# Altium PCB PCB_SensorBoard.PcbDoc (part 1 of 2) (continued)
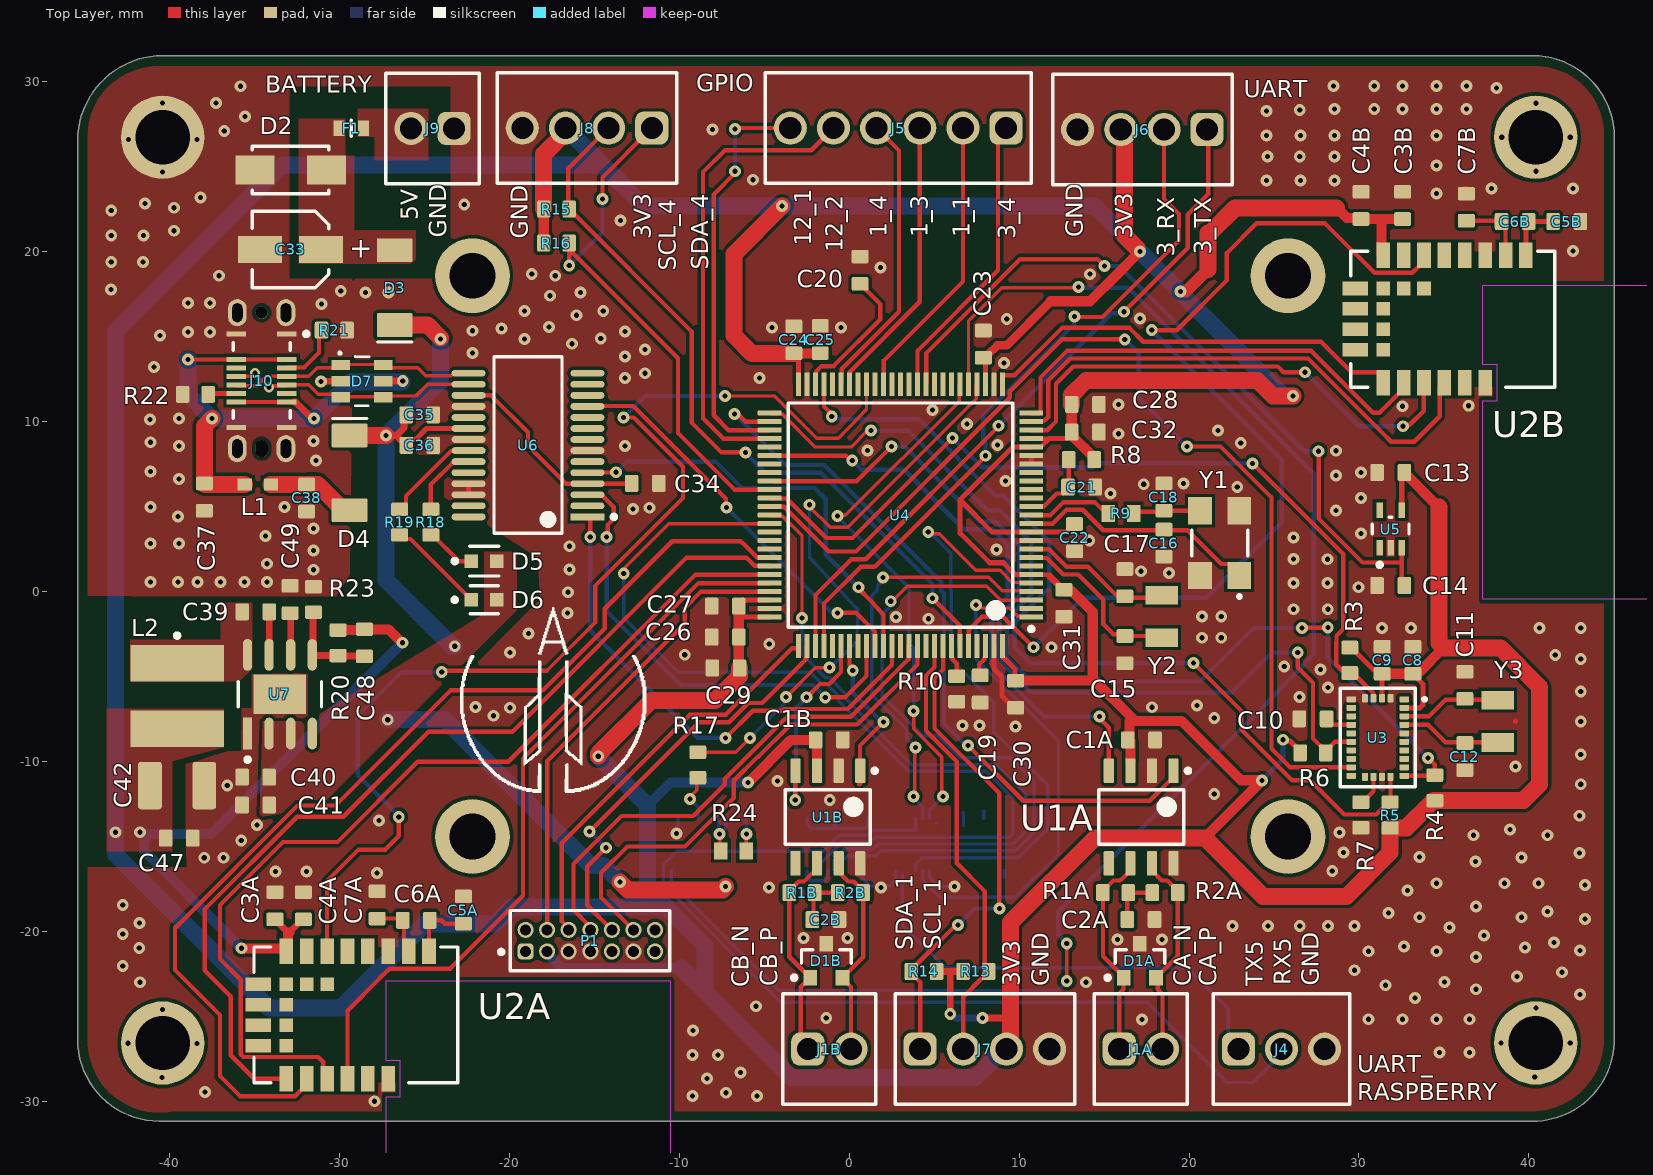
[diagram p0: Top Layer view]
## Components (designator, comment, footprint, x,y, rotation, side; value= is the part's Value field where it differs from the comment)
C1A "KGM15AR71C104KM" 0603_C 17.198,-8.739 r180 top value=100nF (schematic designator C1)
C1B "KGM15AR71C104KM" 0603_C -1.177,-8.739 r180 top value=100nF (schematic designator C1)
C2A "KGM15AR71C472KT" 0603_C 17.169,-19.313 r180 top value=4.7nF (schematic designator C2)
C2B "KGM15AR71C472KT" 0603_C -1.372,-19.313 r180 top value=4.7nF (schematic designator C2)
C3A "KGM15AR71C104KM" 0603_C -33.795,-18.498 r270 top value=100nF (schematic designator C3)
C3B "KGM15AR71C104KM" 0603_C 32.57,22.713 r270 top value=100nF (schematic designator C3)
C4A "KGM15AR71C104KM" 0603_C -32.12,-18.498 r90 top value=100nF (schematic designator C4)
C4B "KGM15AR71C104KM" 0603_C 30.12,22.713 r90 top value=100nF (schematic designator C4)
C5A "DNP" 0603_C -22.7,-18.75 r270 top value=10pF (schematic designator C5)
C5B "DNP" 0603_C 42.225,21.767 r180 top value=10pF (schematic designator C5)
C6A "KGM15ACG1C220KT" 0603_C -25.475,-19.353 r0 top value=22pF (schematic designator C6)
C6B "KGM15ACG1C220KT" 0603_C 39.188,21.767 r0 top value=22pF (schematic designator C6)
C7A "DNP" 0603_C -27.775,-18.453 r90 top value=10pF (schematic designator C7)
C7B "DNP" 0603_C 36.32,22.608 r90 top value=10pF (schematic designator C7)
C8 "KGM15AR71C104KT" 0603_C 33.165,-4.051 r270 top value=100nF
C9 "KGM15AR71C104KT" 0603_C 31.365,-4.051 r270 top value=100nF
C10 "KGM15AR71C104KT" 0603_C 27.29,-7.496 r0 top value=100nF
C11 "KGM15ACG1C150KT" 0603_C 36.23,-5.526 r90 top value=15pF
C12 "KGM15ACG1C150KT" 0603_C 36.23,-9.719 r270 top value=15pF
C13 "KGM15AR71C104KM" 0603_C 31.866,6.996 r0 top value=100nF
C14 "KGM15AR71C681KT" 0603_C 31.866,0.346 r0 top value=680pF
C15 "KGM15ACG1C150KT" 0603_C 16.219,-3.425 r270 top value=15pF
C16 "KGM15ACG1C220KT" 0603_C 18.522,2.842 r270 top value=22pF
C17 "KGM15ACG1C150KT" 0603_C 16.219,0.516 r90 top value=15pF
C18 "KGM15ACG1C220KT" 0603_C 18.522,5.554 r90 top value=22pF
C19 "KGM15AR51C225KT" 0603_C 7.712,-5.736 r90 top value=2.2µF
C20 "KGM15AR51C225KT" 0603_C 0.639,18.9 r270 top value=2.2µF
C21 "KGM15AR71C104KM" 0603_C 13.675,6.135 r180 top value=100nF
C22 "KGM15AR51C225KT" 0603_C 13.265,3.166 r90 top value=2.2µF
C23 "KGM15AR71C104KM" 0603_C 7.896,14.552 r270 top value=100nF
C24 "KGM15AR71C104KM" 0603_C -3.261,14.807 r270 top value=100nF
C25 "KGM15AR71C104KM" 0603_C -1.703,14.821 r270 top value=100nF
C26 "KGM15AR71C104KM" 0603_C -7.294,-2.689 r0 top value=100nF
C27 "KGM15AR71C104KM" 0603_C -7.294,-0.871 r0 top value=100nF
C28 "KGM15AR71C104KM" 0603_C 13.895,11.004 r180 top value=100nF
C29 "KGM15AR71C104KM" 0603_C -7.252,-4.502 r0 top value=100nF
C30 "KGM15AR71C104KM" 0603_C 9.793,-6.049 r90 top value=100nF
C31 "KGM15AR71C104KM" 0603_C 12.633,-0.694 r90 top value=100nF
C32 "KGM15AR71C104KM" 0603_C 13.892,9.375 r180 top value=100nF
C33 "875105240001" WCAP-PSLP_D4H5.5 1237.125,1290.125 r0 top
C34 "KGM15AR71C104KM" 0603_C -12.003,6.356 r180 top value=100nF
C35 "KGM15AR71C104KM" 0603_C -25.269,10.387 r180 top value=100nF
C36 "KGM15AR71C104KM" 0603_C -25.269,8.593 r180 top value=100nF
C37 "0603YD475MAT2A" 0603_C -37.944,5.55 r90 top value=4.7µF
C38 "0603YD475MAT2A" 0603_C -31.925,5.5 r90 top value=4.7µF
C39 "KGM15AR71C104KT" 0603_C -34.925,-1.2 r180 top value=100nF
C40 "0603YD475MAT2A" 0603_C -34.925,-10.925 r0 top value=4.7µF
C41 "KGM15BR71C224MT" 0603_C -34.928,-12.57 r0 top value=220nF
C42 "12106D107MAT2A" 1210_C -39.55,-11.425 r180 top value=100µF
C47 "KGM15AR71C104KM" 0603_C -39.425,-14.525 r180 top value=100nF
C48 "KGM15ACG1C151JT" 0603_C -28.525,-3.025 r90 top value=150pF
C49 "0603YD105KAT4A" 0603_C -32.9,-0.475 r270 top value=1µF
D1A "NUP2105LT1G" ONSC-SOT-23-3-318-08_V 17.106,-21.73 r90 top (schematic designator D1)
D1B "NUP2105LT1G" ONSC-SOT-23-3-318-08_V -1.346,-21.73 r90 top (schematic designator D1)
D2 "824501500" WE-TVSP_DO-214AC_Bidirectional -32.866,24.8 r0 top
D3 "PMEG3020EP-QX" SOD128 -26.75,17.875 r90 top
D4 "PMEG3020EP-QX" SOD128 -29.4,6.975 r270 top
D5 "LTST-C190KGKT" FP-LTST-C190KGKT-MFG -21.483,1.781 r0 top
D6 "LTST-C190KRKT" FP-LTST-C190KRKT-MFG -21.483,-0.5 r0 top
D7 "82400102" WE-TVS_SOT23-6L -28.672,12.369 r270 top
F1 "ERB-RE2R00V" FP-ERBRE-MFG -29.3,27.25 r180 top
J1A "691210910002" 691210910002 1287.165,1243.064 r0 top (schematic designator J1)
J1B "691210910002" 691210910002 1268.835,1243.064 r0 top (schematic designator J1)
J2 "DF40C-100DS-0.4V(51)" HIROSE_DF40C-100DS-0.4V(51) -0.672,-14.886 r0 bottom locked
J3 "DF40C-100DS-0.4V(51)" HIROSE_DF40C-100DS-0.4V(51) -0.672,19.034 r0 bottom locked
J4 "691210910003" 691210910003 25.44,-26.936 r0 top
J5 "691210910006" 691210910006 2.884,27.265 r180 top
J6 "691210910004" 691210910004 17.253,27.18 r180 top
J7 "691210910004" 691210910004 7.983,-26.936 r0 top
J8 "691210910004" 691210910004 -15.425,27.265 r180 top
J9 "691210910002" 691210910002 -1294.52,-1242.75 r180 top
J10 "USB4145-03-0230-C" FP-USB4145-03-0230-C-MFG -34.575,12.4 r270 top locked
L1 "742792605" SMD-0603 -34.8,6.3 r0 top
L2 "744774033" WE-PD2_5848 -39.55,-6.15 r270 top
P1 "62201421121" 62201421121 -15.234,-20.553 r0 top
R1A "RC0603FR-0760R4L" 0603_R 15.681,-17.73 r180 top value=60.4 (schematic designator R1)
R1B "RC0603FR-0760R4L" 0603_R -2.776,-17.73 r180 top value=60.4 (schematic designator R1)
R2A "RC0603FR-0760R4L" 0603_R 18.594,-17.73 r180 top value=60.4 (schematic designator R2)
R2B "RC0603FR-0760R4L" 0603_R 0.079,-17.73 r180 top value=60.4 (schematic designator R2)
R3 "RC0603FR-1310KP" 0603_R 29.457,-4.051 r90 top value=10k
R4 "RC0603FR-1310KP" 0603_R 34.46,-11.559 r270 top value=10k
R5 "RC0603FR-1310KP" 0603_R 31.834,-13.162 r270 top value=10k
R6 "RC0603FR-1310KP" 0603_R 27.29,-9.501 r180 top value=10k
R7 "RC0603FR-1310KP" 0603_R 30.108,-13.162 r90 top value=10k
R8 "RC0603FR-1310KP" 0603_R 13.675,7.755 r0 top value=10k
R9 "Resistor 0R +/- 5% 0603 100 mW" RESC1608X55X25ML10T15 15.988,4.593 r180 top value=0
R10 "RC0603FR-1310KP" 0603_R 6.324,-5.736 r90 top value=10k
R13 "RC0603FR-1310KP" 0603_R 7.457,-22.366 r180 top value=10k
R14 "RC0603FR-1310KP" 0603_R 4.4,-22.366 r0 top value=10k
R15 "RC0603FR-1310KP" 0603_R -17.225,22.5 r180 top value=10k
R16 "RC0603FR-1310KP" 0603_R -17.225,20.5 r180 top value=10k
R17 "RC0603FR-07220RL" 0603_R -8.909,-10.222 r90 top value=220
R18 "RC0603FR-101KL" 0603_R -24.622,4.075 r270 top value=1k
R19 "RC0603FR-101KL" 0603_R -26.45,4.075 r270 top value=1k
R20 "RC0603FR-07100KP" 0603_R -30.075,-3.025 r90 top value=100k
R21 "RC0603FR-135K1L" 0603_R -30.3,15.375 r0 top value=5.1k
R22 "RC0603FR-135K1L" 0603_R -38.475,11.6 r180 top value=5.1k
R23 "RC0603FR-1043K2L" 0603_R -31.525,-0.475 r270 top value=43.2k
R24 "Resistor 0R +/- 5% 0603 100 mW" RESC1608X55X25ML10T15 -6.796,-15.282 r0 top value=0
U1A "TCAN3414" SOIC-8NB 17.182,-13.282 r270 top (schematic designator U1)
U1B "TCAN3414" SOIC-8NB -1.253,-13.282 r270 top (schematic designator U1)
U2A "Thyone I Radio, 3V3" WE-FP-4+ -29.025,-24.925 r180 top (schematic designator U2)
U2B "Thyone I Radio, 3V3" WE-FP-4+ 35.525,16.024 r180 top (schematic designator U2)
U3 "Sensor" LGA-28 31.107,-8.6 r270 top locked
U4 "STM32H563VGT6" LQFP-100 3.019,4.488 r180 top locked
U5 "TMP235A4DCKR" FP-DCK0005A-MFG 31.866,3.671 r90 top
U6 "FT232RNL-REEL" FP-FT232RNL-REEL-MFG -18.901,8.611 r180 top locked
U7 "LMR33610BDDAR" FP-DDA0008J-IPC_C -33.5,-6.05 r90 top
Y1 "830053798" WE-XTAL_CFPX-104 21.801,2.842 r90 top
Y2 "830009678" WE-XTAL_CFPX-217 18.4,-1.475 r90 top
Y3 "830009678" WE-XTAL_CFPX-217 38.161,-7.647 r270 top
? "" Raspberry-Pi-4-Compute-Module 25.828,18.574 r270 bottom

## Footprints (in the part's own frame and the unit in brackets; to place one, negate y for a bottom-side part, rotate by r counter-clockwise, add the part's x,y. Pads: shape width x height; smd on the part's side, far side on the other; paste and mask are expansions set on the pad)
0603_C [mm]
  rrect25% 0.8x1 smd: 1(-0.8,0) 2(0.8,0)
  body extent -0.8,-0.4 0.8,0.4, height 0.81
0603_R [mm]
  rrect25% 0.8x1 smd: 1(-0.75,0) 2(0.75,0)
  body extent -0.8,-0.4 0.8,0.4, height 0.46
1210_C [mm]
  rrect25% 1.4x2.8 smd: 1(-1.6,0) 2(1.6,0)
  body extent -1.6,-1.25 1.6,1.25, height 2.51
62201421121 [mm] "Pin Header, pitch 1.27 mm, THT, Vertical, dual row, 14p"
  rrect50% 0.95x0.95 hole 0.65: 1(-3.81,-0.635)
  round 0.95 hole 0.65: 2(-3.81,0.635) 3(-2.54,-0.635) 4(-2.54,0.635) 5(-1.27,-0.635) 6(-1.27,0.635) 7(0,-0.635) 8(0,0.635) 9(1.27,-0.635) 10(1.27,0.635) 11(2.54,-0.635) 12(2.54,0.635) 13(3.81,-0.635) 14(3.81,0.635)
  silkscreen extent -5.37,-1.77 4.67,1.78, body extent -4.44,-1.7 4.45,1.7, height 5.33
691210910002 [mm] "2,54mm - modular - green - Horizontal wire entry - Cage clamp - 0,8mm2 wires - 02p"
  rrect50% 1.95x1.95 hole 1.3: 1(-1271.27,-1270)
  round 1.95 hole 1.3: 2(-1268.73,-1270)
  silkscreen extent -1272.74,-1273.25 -1267.26,-1266.75, body extent -1272.74,-1273.25 -1267.26,-1266.75, height 8.55
691210910003 [mm] "2,54mm - modular - green - Horizontal wire entry - Cage clamp - 0,8mm2 wires - 03p"
  rrect50% 1.95x1.95 hole 1.3: 1(-2.54,0)
  round 1.95 hole 1.3: 2(0,0) 3(2.54,0)
  silkscreen extent -4.01,-3.25 4.01,3.25, body extent -4.01,-3.25 4.01,3.25, height 8.55
691210910004 [mm] "2,54mm - modular - green - Horizontal wire entry - Cage clamp - 0,8mm2 wires - 04p"
  rrect50% 1.95x1.95 hole 1.3: 1(-3.81,0)
  round 1.95 hole 1.3: 2(-1.27,0) 3(1.27,0) 4(3.81,0)
  silkscreen extent -5.28,-3.25 5.28,3.25, body extent -5.28,-3.25 5.28,3.25, height 8.55
691210910006 [mm] "2,54mm - modular - green - Horizontal wire entry - Cage clamp - 0,8mm2 wires - 06p"
  rrect50% 1.95x1.95 hole 1.3: 1(-6.35,0)
  round 1.95 hole 1.3: 2(-3.81,0) 3(-1.27,0) 4(1.27,0) 5(3.81,0) 6(6.35,0)
  silkscreen extent -7.82,-3.25 7.82,3.25, body extent -7.82,-3.25 7.82,3.25, height 8.55
FP-DCK0005A-MFG [mm]
  rect 0.9x0.4 smd paste-1000 mask+0: 1(-1.1,0.65) 2(-1.1,0) 3(-1.1,-0.65) 4(1.1,-0.65) 5(1.1,0.65)
  silkscreen extent -2.22,-1.07 0.7,1.08, body extent -1.65,-1.33 1.65,1.33, height 0.25
FP-DDA0008J-IPC_C [mm]
  rect 1.874x0.542 smd paste+0 mask+0: 1(-2.316,1.905)
  rrect100% 1.874x0.542 smd paste+0 mask+0: 2(-2.316,0.635) 3(-2.316,-0.635) 4(-2.316,-1.905) 5(2.316,-1.905) 6(2.316,-0.635) 7(2.316,0.635) 8(2.316,1.905)
  rect 2.3x3.1 smd paste-1000 mask+0: 9(0,0)
  silkscreen extent -3.97,-2.45 0.75,2.45, body extent -3.35,-2.55 3.35,2.55, height 0.25
FP-ERBRE-MFG [mm]
  rect 0.65x0.9 smd: 1(-0.725,0) 2(0.725,0)
  silkscreen extent 0,-0.48 0,0.48, body extent -1.15,-0.58 1.15,0.58, height 0.25
FP-FT232RNL-REEL-MFG [mm]
  rect 2x0.4 smd paste+0 mask+0: 1(-3.5,4.225)
  rrect100% 2x0.4 smd paste+0 mask+0: 2(-3.5,3.575) 3(-3.5,2.925) 4(-3.5,2.275) 5(-3.5,1.625) 6(-3.5,0.975) 7(-3.5,0.325) 8(-3.5,-0.325) 9(-3.5,-0.975) 10(-3.5,-1.625) 11(-3.5,-2.275) 12(-3.5,-2.925) 13(-3.5,-3.575) 14(-3.5,-4.225) 15(3.5,-4.225) 16(3.5,-3.575) 17(3.5,-2.925) 18(3.5,-2.275) 19(3.5,-1.625) 20(3.5,-0.975) 21(3.5,-0.325) 22(3.5,0.325) 23(3.5,0.975) 24(3.5,1.625) 25(3.5,2.275) 26(3.5,2.925) 27(3.5,3.575) 28(3.5,4.225)
  silkscreen extent -5.18,-5.2 2,5.2, body extent -4.6,-5.3 4.6,5.3, height 0.25
FP-LTST-C190KGKT-MFG [mm]
  rect 0.8x0.8 smd paste+0 mask+0: 1(-0.75,0) 2(0.75,0)
  silkscreen extent -1.85,-0.88 0.85,0.88, body extent -1.25,-0.55 1.25,0.55, height 0.25
FP-LTST-C190KRKT-MFG [mm]
  rect 0.8x0.8 smd paste+0 mask+0: 1(-0.75,0) 2(0.75,0)
  silkscreen extent -1.85,-0.82 0.82,0.83, body extent -1.25,-0.55 1.25,0.55, height 0.25
FP-USB4145-03-0230-C-MFG [mm]
  rrect100% 1.6x1.1 hole 0.61 slot 1.1 at 0 deg paste-2539.97 mask+0: 1(-4,1.43) 2(4,1.43) 3(-4,-1.43) 4(4,-1.43)
  rect 0.3x1.15 smd paste+0 mask+0: A1(-2.75,1.485) A4(-1.25,1.485) A5(-0.75,1.485) A6(-0.25,1.485) A7(0.25,1.485) A8(0.75,1.485) A9(1.25,1.485) A12(2.75,1.485) B1(2.75,-1.485) B4(1.25,-1.485) B5(0.75,-1.485) B6(0.25,-1.485) B7(-0.25,-1.485) B8(-0.75,-1.485) B9(-1.25,-1.485) B12(-2.75,-1.485)
  round 0.71 hole 0.71 unplated paste-2539.97: ""(-4,0)
  rrect100% 1.01x0.71 hole 0.71 slot 1.01 at 0 deg unplated paste-2539.97 mask+0: ""(4,0)
  silkscreen extent -2.87,-1.68 2.22,2.76, body extent -4.9,-2.16 4.9,2.16, height 0.25
HIROSE_DF40C-100DS-0.4V(51) [mm]
  rect 0.2x0.7 smd paste-1: 1(9.8,1.54) 2(9.8,-1.54) 3(9.4,1.54) 4(9.4,-1.54) 5(9,1.54) 6(9,-1.54) 7(8.6,1.54) 8(8.6,-1.54) 9(8.2,1.54) 10(8.2,-1.54) 11(7.8,1.54) 12(7.8,-1.54) 13(7.4,1.54) 14(7.4,-1.54) 15(7,1.54) 16(7,-1.54) 17(6.6,1.54) 18(6.6,-1.54) 19(6.2,1.54) 20(6.2,-1.54) 21(5.8,1.54) 22(5.8,-1.54) 23(5.4,1.54) 24(5.4,-1.54) 25(5,1.54) 26(5,-1.54) 27(4.6,1.54) 28(4.6,-1.54) 29(4.2,1.54) 30(4.2,-1.54) 31(3.8,1.54) 32(3.8,-1.54) 33(3.4,1.54) 34(3.4,-1.54) 35(3,1.54) 36(3,-1.54) 37(2.6,1.54) 38(2.6,-1.54) 39(2.2,1.54) 40(2.2,-1.54) 41(1.8,1.54) 42(1.8,-1.54) 43(1.4,1.54) 44(1.4,-1.54) 45(1,1.54) 46(1,-1.54) 47(0.6,1.54) 48(0.6,-1.54) 49(0.2,1.54) 50(0.2,-1.54) 51(-0.2,1.54) 52(-0.2,-1.54) 53(-0.6,1.54) 54(-0.6,-1.54) 55(-1,1.54) 56(-1,-1.54) 57(-1.4,1.54) 58(-1.4,-1.54) 59(-1.8,1.54) 60(-1.8,-1.54) 61(-2.2,1.54) 62(-2.2,-1.54) 63(-2.6,1.54) 64(-2.6,-1.54) 65(-3,1.54) 66(-3,-1.54) 67(-3.4,1.54) 68(-3.4,-1.54) 69(-3.8,1.54) 70(-3.8,-1.54) 71(-4.2,1.54) 72(-4.2,-1.54) 73(-4.6,1.54) 74(-4.6,-1.54) 75(-5,1.54) 76(-5,-1.54) 77(-5.4,1.54) 78(-5.4,-1.54) 79(-5.8,1.54) 80(-5.8,-1.54) 81(-6.2,1.54) 82(-6.2,-1.54) 83(-6.6,1.54) 84(-6.6,-1.54) 85(-7,1.54) 86(-7,-1.54) 87(-7.4,1.54) 88(-7.4,-1.54) 89(-7.8,1.54) 90(-7.8,-1.54) 91(-8.2,1.54) 92(-8.2,-1.54) 93(-8.6,1.54) 94(-8.6,-1.54) 95(-9,1.54) 96(-9,-1.54) 97(-9.4,1.54) 98(-9.4,-1.54) 99(-9.8,1.54) 100(-9.8,-1.54)
  silkscreen extent -11.3,-1.44 11.3,2.58, body extent -11.3,-1.69 11.3,1.69, height 1.6
LGA-28 [mm]
  rrect25% 0.35x0.575 smd mask+0.05: 1(-2.25,1.563) 6(-2.25,-1.562) 7(-1.75,-1.562) 8(-1.25,-1.562) 9(-0.75,-1.562) 10(-0.25,-1.562) 11(0.25,-1.562) 12(0.75,-1.562) 13(1.25,-1.562) 14(1.75,-1.562) 15(2.25,-1.562) 20(2.25,1.563) 21(1.75,1.563) 22(1.25,1.563) 23(0.75,1.563) 24(0.25,1.563) 25(-0.25,1.563) 26(-0.75,1.563) 27(-1.25,1.563) 28(-1.75,1.563)
  rrect25% 0.475x0.35 smd mask+0.05: 2(-2.312,0.75) 3(-2.312,0.25) 4(-2.312,-0.25) 5(-2.312,-0.75) 16(2.313,-0.75) 17(2.313,-0.25) 18(2.313,0.25) 19(2.313,0.75)
  silkscreen extent -2.9,-2.2 2.9,2.85, body extent -2.6,-1.9 2.6,1.9, height 1.18
LQFP-100 [mm] "TSQFP, 100-Leads, Body 14,00x14,00mm, Pitch 0,50mm, IPC Medium Density"
  rrect25% 1.4x0.3 smd: 1(-7.7,6) 2(-7.7,5.5) 3(-7.7,5) 4(-7.7,4.5) 5(-7.7,4) 6(-7.7,3.5) 7(-7.7,3) 8(-7.7,2.5) 9(-7.7,2) 10(-7.7,1.5) 11(-7.7,1) 12(-7.7,0.5) 13(-7.7,0) 14(-7.7,-0.5) 15(-7.7,-1) 16(-7.7,-1.5) 17(-7.7,-2) 18(-7.7,-2.5) 19(-7.7,-3) 20(-7.7,-3.5) 21(-7.7,-4) 22(-7.7,-4.5) 23(-7.7,-5) 24(-7.7,-5.5) 25(-7.7,-6) 51(7.7,-6) 52(7.7,-5.5) 53(7.7,-5) 54(7.7,-4.5) 55(7.7,-4) 56(7.7,-3.5) 57(7.7,-3) 58(7.7,-2.5) 59(7.7,-2) 60(7.7,-1.5) 61(7.7,-1) 62(7.7,-0.5) 63(7.7,0) 64(7.7,0.5) 65(7.7,1) 66(7.7,1.5) 67(7.7,2) 68(7.7,2.5) 69(7.7,3) 70(7.7,3.5) 71(7.7,4) 72(7.7,4.5) 73(7.7,5) 74(7.7,5.5) 75(7.7,6)
  rrect25% 0.3x1.4 smd: 26(-6,-7.7) 27(-5.5,-7.7) 28(-5,-7.7) 29(-4.5,-7.7) 30(-4,-7.7) 31(-3.5,-7.7) 32(-3,-7.7) 33(-2.5,-7.7) 34(-2,-7.7) 35(-1.5,-7.7) 36(-1,-7.7) 37(-0.5,-7.7) 38(0,-7.7) 39(0.5,-7.7) 40(1,-7.7) 41(1.5,-7.7) 42(2,-7.7) 43(2.5,-7.7) 44(3,-7.7) 45(3.5,-7.7) 46(4,-7.7) 47(4.5,-7.7) 48(5,-7.7) 49(5.5,-7.7) 50(6,-7.7) 76(6,7.7) 77(5.5,7.7) 78(5,7.7) 79(4.5,7.7) 80(4,7.7) 81(3.5,7.7) 82(3,7.7) 83(2.5,7.7) 84(2,7.7) 85(1.5,7.7) 86(1,7.7) 87(0.5,7.7) 88(0,7.7) 89(-0.5,7.7) 90(-1,7.7) 91(-1.5,7.7) 92(-2,7.7) 93(-2.5,7.7) 94(-3,7.7) 95(-3.5,7.7) 96(-4,7.7) 97(-4.5,7.7) 98(-5,7.7) 99(-5.5,7.7) 100(-6,7.7)
  silkscreen extent -7.83,-6.6 6.6,6.82, body extent -8,-8 8,8, height 1.6
ONSC-SOT-23-3-318-08_V [mm] "SOT23, 3-Leads, Body 2.92x1.3mm, Pitch 0.95mm"
  rect 0.9x0.8 smd: 1(-1,0.95) 2(-1,-0.95) 3(1,0)
  silkscreen extent -1.12,-1.46 0.65,2.02, body extent -0.65,-1.46 0.65,1.46, height 1.11
Raspberry-Pi-4-Compute-Module [mm]
  silkscreen extent -3.5,-3.5 36.5,51.5
RESC1608X55X25ML10T15 [mm] "Chip Resistor, 2-Leads, Body 1.70x0.90mm, IPC Low Density"
  rect 0.8x1 smd: 1(-0.75,0) 2(0.75,0)
  body extent -0.85,-0.45 0.85,0.45, height 0.55
SMD-0603 [mm] "Chip Inductor, 2-Leads, Body 1.6x0.8mm"
  rect 0.85x0.7 smd: 1(-0.775,0) 2(0.775,0)
  body extent -0.8,-0.4 0.8,0.4, height 0.79
SOD128 [mm]
  rrect10% 1.4x2.1 smd paste-0.1 mask+0.05: 1(-2.2,0) 2(2.2,0)
  silkscreen extent -3.2,-1 -3.2,1, body extent -2.4,-1.25 2.4,1.25, height 1.02
SOIC-8NB [mm] "SOIC, 8-Leads, Body 4,90x3,90mm, Pitch 1,27mm, IPC Medium Density"
  rrect25% 1.45x0.6 smd: 1(-2.725,1.905) 2(-2.725,0.635) 3(-2.725,-0.635) 4(-2.725,-1.905) 5(2.725,-1.905) 6(2.725,-0.635) 7(2.725,0.635) 8(2.725,1.905)
  silkscreen extent -2.85,-2.5 1.6,2.88, body extent -3,-2.5 3,2.5, height 1.75
WCAP-PSLP_D4H5.5 [mm] "Aluminum Polymer Capacitors, body diameter 4mm"
  rect 2.6x1.6 smd: 1(-1268.2,-1270) 2(-1271.8,-1270)
  silkscreen extent -1272.25,-1272.25 -1267.75,-1267.75, body extent -1272.5,-1272.15 -1267.5,-1267.85, height 5.5
WE-FP-4+ [mm]
  rect 0.8x1.5 smd mask+0.05: 1(-4.3,-3.75) 2(-3.1,-3.75) 3(-1.9,-3.75) 4(-0.7,-3.75) 5(0.5,-3.75) 6(1.7,-3.75) 7(2.9,-3.75) 8(4.1,-3.75) 13(4.1,3.75) 14(2.9,3.75) 15(1.7,3.75) 16(0.5,3.75) 17(-0.7,3.75) 18(-1.9,3.75)
  rect 1.5x0.8 smd mask+0.05: 9(5.75,-1.8) 10(5.75,-0.6) 11(5.75,0.6) 12(5.75,1.8)
  rect 0.8x0.8 smd mask+0.05: B1(1.7,-1.8) B2(2.9,-1.8) B3(4.1,-1.8) B4(4.1,-0.6) B5(4.1,0.6) B6(4.1,1.8)
  Top Layer pour cut-out: 6,4 6,-4 -6,-4 -6,4
  Keep-Out Layer region: -18.5,16.5 -1.77,16.5 -1.77,4.8 -2.6,4.8 -2.6,2.7 -1.77,2.7 -1.77,-2 -18.5,-2
  silkscreen extent -6,-4 6,4, body extent -6,-4 6,4, height 2
WE-PD2_5848 [mm] "SMD Power Inductor, 2-Leads, body 5.8x5.2mm"
  rect 2.15x5.5 smd: 1(-1.925,0) 2(1.925,0)
  silkscreen extent -3.67,-0.12 -3.43,0.13, body extent -2.9,-2.6 2.89,2.6, height 4.48
WE-TVS_SOT23-6L [mm] "TVS Diode, package SOT23-6L"
  rect 0.6x1.1 smd: 1(-0.95,-1.25) 2(0,-1.25) 3(0.95,-1.25) 4(0.95,1.25) 5(0,1.25) 6(-0.95,1.25)
  silkscreen extent -1.72,-1.37 1.45,0.42, body extent -1.45,-1.4 1.45,1.4, height 1.16
WE-TVSP_DO-214AC_Bidirectional [mm] "Power TVS Diode, 2-Leads. body 4.24x2.67mm"
  rect 2.3x1.7 smd: 1(-2.1,0) 2(2.1,0)
  silkscreen extent -2.25,-1.4 2.25,1.4, body extent -2.56,-1.33 2.56,1.34, height 2.24
WE-XTAL_CFPX-104 [mm] "Quartz Crystal, size CFPX-104, body 5x3.2mm"
  rect 1.6x1.4 smd: 1(-1.9,-1.15) 2(1.9,-1.15) 3(1.9,1.15) 4(-1.9,1.15)
  silkscreen extent -3.24,-1.65 0.76,1.65, body extent -2.5,-1.6 2.5,1.6, height 0.95
WE-XTAL_CFPX-217 [mm] "Quartz Crystal, size CFPX-217, body 3.2x1.5mm"
  rect 1.1x1.9 smd: 1(-1.25,0) 2(1.25,0)
  body extent -1.6,-0.75 1.6,0.75, height 0.75

## Part data
C1A C1B C3A C3B C4A C4B C13 C21 C23 C24 C25 C26 C27 C28 C29 C30 C31 C32 C34 C35 C36 C47: library part CMP-001-00851-1, "CAP CER 0.1UF 16V X7R 0603", Case/Package="Tape & Reel (TR),Cut Tape (CT),Digi-Reel®", Manufacture="KYOCERA AVX", Operating Temperature="-55°C ~ 125°C", Package / Case=0603, Temperature Coefficient=X7R, Tolerance=10%, Voltage - Rated=16V, Applications="General Purpose", Manufacture Part Number=KGM15AR71C104KM, Mounting Type="Surface Mount, MLCC", Product Status=Active, Series="KGM - X7R", Size / Dimension="0.063\" L x 0.032\" W (1.60mm x 0.81mm)", Thickness (Max)="0.035\" (0.90mm)"
C2A C2B: library part CMP-001-01878-1, "CAP CER 4700PF 16V X7R 0603", Case/Package="Tape & Reel (TR),Cut Tape (CT),Digi-Reel®", Manufacture="KYOCERA AVX", Operating Temperature="-55°C ~ 125°C", Package / Case=0603, Temperature Coefficient=X7R, Tolerance=10%, Voltage - Rated=16V, Applications="General Purpose", Manufacture Part Number=KGM15AR71C472KT, Mounting Type="Surface Mount, MLCC", Product Status=Active, Series="KGM - X7R", Size / Dimension="0.063\" L x 0.032\" W (1.60mm x 0.81mm)", Thickness (Max)="0.035\" (0.90mm)"
C5A C5B C7A C7B: library part CMP-001-00327-1, "CAP CER 10PF 16V C0G/NP0 0603", Case/Package="Tape & Reel (TR),Cut Tape (CT),Digi-Reel®", Manufacture="KYOCERA AVX", Manufacture Part Number=KGM15ACG1C100JT, Operating Temperature="-55°C ~ 125°C", Package / Case=0603, Temperature Coefficient="C0G, NP0", Tolerance=5%, Voltage - Rated=16V, Applications="General Purpose", Mounting Type="Surface Mount, MLCC", Product Status=Active, Series="KGM - C0G", Size / Dimension="0.063\" L x 0.032\" W (1.60mm x 0.81mm)", Thickness (Max)="0.035\" (0.90mm)"
C6A C6B C16 C18: library part CMP-001-00865-1, "CAP CER 22PF 16V C0G/NP0 0603", Case/Package="Tape & Reel (TR),Cut Tape (CT),Digi-Reel®", Manufacture="KYOCERA AVX", Operating Temperature="-55°C ~ 125°C", Package / Case=0603, Temperature Coefficient="C0G, NP0", Tolerance=10%, Voltage - Rated=16V, Applications="General Purpose", Manufacture Part Number=KGM15ACG1C220KT, Mounting Type="Surface Mount, MLCC", Product Status=Active, Series="KGM - C0G", Size / Dimension="0.063\" L x 0.032\" W (1.60mm x 0.81mm)", Thickness (Max)="0.035\" (0.90mm)"
C8 C9 C10 C39: library part CMP-001-00745-1, "CAP CER 0.1UF 16V X7R 0603", Case/Package="Tape & Reel (TR),Cut Tape (CT),Digi-Reel®", Manufacture="KYOCERA AVX", Operating Temperature="-55°C ~ 125°C", Package / Case=0603, Temperature Coefficient=X7R, Tolerance=10%, Voltage - Rated=16V, Applications="General Purpose", Manufacture Part Number=KGM15AR71C104KT, Mounting Type="Surface Mount, MLCC", Product Status=Active, Series="KGM - X7R", Size / Dimension="0.063\" L x 0.032\" W (1.60mm x 0.81mm)", Thickness (Max)="0.035\" (0.90mm)"
C11 C12 C15 C17: library part CMP-001-00301-1, "CAP CER 15PF 16V C0G/NP0 0603", Case/Package="Tape & Reel (TR),Cut Tape (CT),Digi-Reel®", Manufacture="KYOCERA AVX", Operating Temperature="-55°C ~ 125°C", Package / Case=0603, Temperature Coefficient="C0G, NP0", Tolerance=10%, Voltage - Rated=16V, Applications="General Purpose", Manufacture Part Number=KGM15ACG1C150KT, Mounting Type="Surface Mount, MLCC", Product Status=Active, Series="KGM - C0G", Size / Dimension="0.063\" L x 0.032\" W (1.60mm x 0.81mm)", Thickness (Max)="0.035\" (0.90mm)"
C14: library part CMP-001-00329-1, "CAP CER 680PF 16V X7R 0603", Case/Package="Tape & Reel (TR),Cut Tape (CT),Digi-Reel®", Manufacture="KYOCERA AVX", Operating Temperature="-55°C ~ 125°C", Package / Case=0603, Temperature Coefficient=X7R, Tolerance=10%, Voltage - Rated=16V, Applications="General Purpose", Manufacture Part Number=KGM15AR71C681KT, Mounting Type="Surface Mount, MLCC", Product Status=Active, Series="KGM - X7R", Size / Dimension="0.063\" L x 0.032\" W (1.60mm x 0.81mm)", Thickness (Max)="0.035\" (0.90mm)"
C19 C20 C22: library part CMP-001-01906-1, "CAP CER 2.2UF 16V X5R 0603", Case/Package="Tape & Reel (TR),Cut Tape (CT),Digi-Reel®", Manufacture="KYOCERA AVX", Operating Temperature="-55°C ~ 85°C", Package / Case=0603, Temperature Coefficient=X5R, Tolerance=10%, Voltage - Rated=16V, Applications="General Purpose", Manufacture Part Number=KGM15AR51C225KT, Mounting Type="Surface Mount, MLCC", Product Status=Active, Series="KGM - X5R", Size / Dimension="0.063\" L x 0.031\" W (1.60mm x 0.80mm)", Thickness (Max)="0.035\" (0.90mm)"
C33: library part CMP-207835-000005-2, "CAP ALUM POLY 10UF 20% 10V SMD", Capacitance=10µF, Case/Package=Radial, ESR (Equivalent Series Resistance)=45mΩ, Leakage Current=300µA, Max Operating Temperature=105°C, Min Operating Temperature=-55°C, Ripple Current=1.2A, Tolerance=20%, Voltage Rating=10V, Diameter=4mm, Dissipation Factor=8%, Height=5.5mm, Height - Seated (Max)=5.5118mm, Length=5.5mm, Life (Hours)=2000hours, Material=Aluminium, Mount="Surface Mount", NexarPartId=54202679, Packaging="Tape & Reel (TR)", Pitch=4.3mm, Polarity=Polar, REACH SVHC=Unknown, RoHS=Compliant, Voltage Rating (DC)=10V
C37 C38 C40: library part CMP-001-01338-1, "CAP CER 4.7UF 16V X5R 0603", Case/Package="Tape & Reel (TR),Cut Tape (CT),Digi-Reel®", Manufacture="KYOCERA AVX", Operating Temperature="-55°C ~ 85°C", Package / Case=0603, Temperature Coefficient=X5R, Tolerance=20%, Voltage - Rated=16V, Applications="General Purpose", Manufacture Part Number=0603YD475MAT2A, Mounting Type="Surface Mount, MLCC", Product Status=Active, Series="KGM - X5R", Size / Dimension="0.063\" L x 0.031\" W (1.60mm x 0.80mm)", Thickness (Max)="0.037\" (0.95mm)"
C41: library part CMP-001-00300-1, "CAP CER 0.22UF 16V X7R 0603", Case/Package="Tape & Reel (TR),Cut Tape (CT),Digi-Reel®", Manufacture="KYOCERA AVX", Operating Temperature="-55°C ~ 125°C", Package / Case=0603, Temperature Coefficient=X7R, Tolerance=20%, Voltage - Rated=16V, Applications="General Purpose", Manufacture Part Number=KGM15BR71C224MT, Mounting Type="Surface Mount, MLCC", Product Status=Active, Series="KGM - X7R", Size / Dimension="0.063\" L x 0.032\" W (1.60mm x 0.81mm)", Thickness (Max)="0.037\" (0.95mm)"
C42: library part CMP-001-00833-1, "CAP CER 100UF 6.3V X5R 1210", Case/Package="Tape & Reel (TR),Cut Tape (CT),Digi-Reel®", Manufacture="KYOCERA AVX", Operating Temperature="-55°C ~ 85°C", Package / Case=1210, Temperature Coefficient=X5R, Tolerance=20%, Voltage - Rated=6.3V, Applications="General Purpose", Manufacture Part Number=12106D107MAT2A, Mounting Type="Surface Mount, MLCC", Product Status=Active, Series="KGM - X5R", Size / Dimension="0.126\" L x 0.098\" W (3.20mm x 2.50mm)", Thickness (Max)="0.110\" (2.80mm)"
C48: library part CMP-001-01272-1, "CAP CER 150PF 16V C0G/NP0 0603", Case/Package="Tape & Reel (TR),Cut Tape (CT),Digi-Reel®", Manufacture="KYOCERA AVX", Operating Temperature="-55°C ~ 125°C", Package / Case=0603, Temperature Coefficient="C0G, NP0", Tolerance=5%, Voltage - Rated=16V, Applications="General Purpose", Manufacture Part Number=KGM15ACG1C151JT, Mounting Type="Surface Mount, MLCC", Product Status=Active, Series="KGM - C0G", Size / Dimension="0.063\" L x 0.032\" W (1.60mm x 0.81mm)", Thickness (Max)="0.035\" (0.90mm)"
C49: library part CMP-001-01077-1, "CAP CER 1UF 16V X5R 0603", Case/Package="Tape & Reel (TR),Cut Tape (CT),Digi-Reel®", Manufacture="KYOCERA AVX", Operating Temperature="-55°C ~ 85°C", Package / Case=0603, Temperature Coefficient=X5R, Tolerance=10%, Voltage - Rated=16V, Applications="General Purpose", Manufacture Part Number=0603YD105KAT4A, Mounting Type="Surface Mount, MLCC", Product Status=Active, Series="KGM - X5R", Size / Dimension="0.063\" L x 0.031\" W (1.60mm x 0.80mm)", Thickness (Max)="0.037\" (0.95mm)"
D1A D1B: library part CMP-1063-00164-1, "Dual Line CAN Bus Protector, 3-Pin SOT-23, Pb-Free, Tape and Reel", Manufacturer="On Semiconductor", C Max (pF)=30, ComponentLink1Description="Manufacturer URL", ComponentLink1URL=http://www.onsemi.com/, ComponentLink2Description=Datasheet, ComponentLink2URL=http://www.onsemi.cn/pub_link/Collateral/NUP2105L-D.PDF, ComponentLink3Description="Package Specification", ComponentLink3URL=http://www.onsemi.cn/pub_link/Collateral/318-08.PDF, DatasheetVersion="Rev. 5", Direction=Bidirectional, IR Max (uA)=0.1, Mounting Technology="Surface Mount", Number of Lines=2, PackageDescription="3-Pin Small Outline Transistor, Body 2.92 x 1.3 mm, Pitch 0.95 mm", PackageReference=SOT-23-3-318-08, PackageVersion="Rev. AP, 11/2009", Packing="Tape and Reel", PartNumber=NUP2105LT1G, PPK Max (W)=350, RoHS=Pb-Free, V(BR) Min (V)=26.2
D2: library part CMP-03913-71101561-1, "824501500 WE-TVSP Power TVS Diode", Breakdown Voltage=6.7V, Clamping Voltage=9.2V, Leakage Current=1.6mA, Max Operating Temperature=150°C, Min Operating Temperature=-65°C, Peak Pulse Current=43.5A, Peak Pulse Power=400W, Power Line Protection=No, Reverse Standoff Voltage=5V, Composition=Zener, Height=2.25mm, Length=4.24mm, Max Breakdown Voltage=6.7V, Min Breakdown Voltage=6.7V, Mount="Surface Mount", NexarPartId=71101561, Number of Bidirectional Channels=1, Number of Pins=2, Packaging="Cut Tape", Polarity=Bidirectional, REACH SVHC=Unknown, RoHS=Compliant, Width=2.67mm
D3 D4: "Schottky Diode", Supplier Part Number 1=1727-PMEG3020EP-QXCT-ND, Supplier 1=Digikey
D5: library part CMP-2000-05197-2, "LED GREEN CLEAR CHIP SMD", Case Code (Imperial)=0603, Case Code (Metric)=1608, Color=Green, Forward Current=30mA, Forward Voltage=2V, Lens Color=Colorless, Max Operating Temperature=85°C, Min Operating Temperature=-55°C, Package Quantity=1, Power Dissipation=75mW, Reverse Voltage=5V, Test Current=20mA, Case/Package=0603, Depth=0.8mm, Dominant Wavelength=571nm, Height=0.8mm, Illumination Color=Green, Lead Free="Lead Free", Length=1.6mm, Lens Style=Diffused, Lens Transparency=Clear, Luminous Intensity=35mcd, Mount="Surface Mount", Number of Elements=1, Number of LEDs=1, Number of Pins=2, Packaging="Tape and Reel", Power Rating=75mW, Radiation Hardening=No, Viewing Angle=130°, Wavelength=574nm, Width=0.8mm
D6: library part CMP-1674-00011-2, "LED RED CLEAR CHIP SMD", Case Code (Imperial)=0603, Case Code (Metric)=1608, Color=Red, Forward Current=30mA, Forward Voltage=2.4V, Lens Color=Colorless, Max Operating Temperature=85°C, Min Operating Temperature=-55°C, Package Quantity=1, Power Dissipation=75mW, Reverse Voltage=5V, Test Current=20mA, Case/Package=0603, Depth=0.8mm, Dominant Wavelength=631nm, Height=0.8mm, Illumination Color=Red, Lead Free="Lead Free", Length=1.6mm, Lens Style=Diffused, Lens Transparency=Clear, Luminous Intensity=54mcd, Mount="Surface Mount", Number of Elements=1, Number of LEDs=1, Number of Pins=2, Packaging="Tape and Reel", Power Rating=75mW, Radiation Hardening=No, Viewing Angle=130°, Wavelength=639nm, Width=0.8mm
D7: library part CMP-1486-00007-2, Breakdown Voltage=6V, Capacitance=2pF, Case/Package=SOT-23, Clamping Voltage=7.7V, Forward Voltage=800mV, Leakage Current=5µA, Max Operating Temperature=125°C, Max Reverse Leakage Current=5A, Max Surge Current=6A, Min Operating Temperature=-55°C, Power Line Protection=Yes, Reverse Standoff Voltage=5V, Test Current=1mA, Direction=Unidirectional, Element Configuration=Dual, ESD Protection=Yes, Height=1.16mm, Length=2.9mm, Max Breakdown Voltage=6V, Min Breakdown Voltage=6V, Mount="Surface Mount", NexarPartId=22862942, Number of Bidirectional Channels=2, Number of Channels=2, Number of Pins=6, Operating Supply Voltage=6V, Packaging=Digi-Reel®, Peak Pulse Current=6A, Polarity=Bidirectional, REACH SVHC=Unknown, RoHS=Compliant, Termination=SMD/SMT, Width=2.8mm, Working Voltage=5V
F1: library part CMP-00287-21220540-1, "ERB-RE2R00V Fuse Chip Fast Acting 2A 32V SMD Solder Pad 0603 1.6 X 0.8 X 0.54mm T/R UL/cUL", Case Code (Imperial)=0603, Case Code (Metric)=1608, Current=2A, Max Operating Temperature=125°C, Max Voltage Rating (DC)=32V, Min Operating Temperature=-40°C, Resistance=51mΩ, Approvals=UL, Body Material=Alumina, Case/Package=0603, Current Rating=2A, Depth=800µm, Fuse Current=2A, Height=640µm, Lead Free="Lead Free", Length=1.6mm, Lifecycle Status=Production, Mount="Surface Mount", Number of Pins=2, Packaging="Cut Tape", Radiation Hardening=No, REACH SVHC="No SVHC", RoHS=Compliant, Voltage Rating=32V, Voltage Rating (DC)=32V, Width=800µm
J1A J1B J9: library part CMP-1502-02456-2, Current Rating=6A, Max Operating Temperature=105°C, Min Operating Temperature=-40°C, Voltage Rating=150V, Contact Material=Tin, Height=8.7mm, NexarPartId=105950649, Number Of Contacts=2, Number of Rows=1
J2 J3: library part CMP-002-00071-1, "100 Position Connector Receptacle, Center Strip Contacts Surface Mount Gold", Case/Package=None, Check_prices=https://www.snapeda.com/parts/DF40C-100DS-0.4V(51)/Hirose/view-part/?ref=eda, Component Type=Standard, Design Item ID=DF40C-100DS-0.4V(51), MF=Hirose, MP=DF40C-100DS-0.4V(51), Pins=100, SnapEDA_Link=https://www.snapeda.com/parts/DF40C-100DS-0.4V(51)/Hirose/view-part/?ref=snap, Source=DF40C-100DS-0.4V(51).SchLib
J4: library part CMP-1502-02457-2, NexarPartId=105950650
J5: library part CMP-1502-02460-2, NexarPartId=105950653
J6 J7 J8: library part CMP-1502-02458-2, NexarPartId=105950651
J10: library part CMP-03329-129995627-1, "USB4145-03-0230-C USB Connectors USB-C Rec 3u Vert 16P SMT 2.3mm TH stakes H7.46mm T+R+Cap", Current Rating=6.25A, Max Operating Temperature=85°C, Min Operating Temperature=-25°C, Voltage Rating=48V, Contact Material="Gold, Nickel", Height=7.66mm, NexarPartId=129995627, Number Of Contacts=16, USB Standard="USB 2.0"
L1: library part CMP-0220-00183-1, "SMD EMI Suppression Ferrite Bead WE-CBF, Z = 33 Ohm", ComponentLink1Description="Manufacturer Link", ComponentLink1URL=http://www.we-online.com, ComponentLink2Description=Datasheet, ComponentLink2URL=http://www.we-online.de/katalog/media/pdf/742792605.pdf, DatasheetVersion=Dec-2005, Impedance="15 Ohm", PackageDescription="Chip Inductor, 2-Leads, Body 1.6 x 0.8 mm", PackageReference=SMD-0603, PackageVersion=2009
L2: library part CMP-0227-00438-2, Ambient Temperature Range High=85°C, Ambient Temperature Range Low=-40°C, Case/Package=Nonstandard, Current Rating=4A, DC Resistance (DCR)=42mΩ, Inductance=3.3µH, Inductance Tolerance=20%, Max Operating Temperature=125°C, Resistance=60mΩ, Saturation Current=7.5A, Self Resonant Frequency=43MHz, Test Frequency=10kHz, Composition=Wirewound, Core Material=Ferrite, Height=4.5mm, Height - Seated (Max)=4.8514mm, Lead Free="Lead Free", Length=5.2mm, Max DC Current=4A, Min Operating Temperature=-40°C, Mount="Surface Mount", NexarPartId=22866896, Packaging=Digi-Reel®, REACH SVHC=Unknown, RMS Current (Irms)=4A, RoHS=Compliant, Shielding=Unshielded, Termination=SMD/SMT, Tolerance=20%, Width=5.8mm
P1: library part CMP-1502-00949-3, Color=Black, Contact Resistance=20mΩ, Current Rating=1A, Operating Supply Voltage=100V, Connector Type="Male Pin", Contact Material=Copper, Contact Mating Length=3.81mm, Contact Plating=Gold, Gender=Male, Lead Pitch=1.27mm, Mount="Through Hole", NexarPartId=32855587, Number Of Contacts=14, Number of Pins=14, Number of Positions=14, Number of Rows=2, Orientation=Vertical, Packaging=Box, Pitch=1.27mm, REACH SVHC=Unknown, RoHS=Compliant, Row Spacing=1.27mm, Termination=Solder
R1A R1B R2A R2B: library part CMP-009-00563-1, "RES 60.4 OHM 1% 1/10W 0603", Case/Package="Tape & Reel (TR),Cut Tape (CT),Digi-Reel®", Manufacture=YAGEO, Operating Temperature="-55°C ~ 155°C", Package / Case=0603, Power (Watts)="0.1W, 1/10W", Temperature Coefficient=±100ppm/°C, Tolerance=1%, Composition="Thick Film", Features="Moisture Resistant", Height - Seated (Max)="0.022\" (0.55mm)", Manufacture Part Number=RC0603FR-0760R4L, Number of Terminations=2, Product Status=Active, Series=RC_L, Size / Dimension="0.063\" L x 0.031\" W (1.60mm x 0.80mm)"
R3 R4 R5 R6 R7 R8 R10 R13 R14 R15 R16: library part CMP-009-01763-1, "RES 10K OHM 1% 1/10W 0603", Case/Package="Tape & Reel (TR),Cut Tape (CT),Digi-Reel®", Manufacture=YAGEO, Operating Temperature="-55°C ~ 155°C", Package / Case=0603, Power (Watts)="0.1W, 1/10W", Temperature Coefficient=±100ppm/°C, Tolerance=1%, Composition="Thick Film", Features=-, Height - Seated (Max)="0.063\" L x 0.031\" W (1.60mm x 0.80mm)", Manufacture Part Number=RC0603FR-1310KP, Number of Terminations="0.022\" (0.55mm)", Product Status=Active, Series=RC_P, Size / Dimension="7C1 RoHS w/out Exemption (100% Pb-Free)"
R9 R24: library part CMP-009-00006-5, "Chip Resistor, 0 Ohm, 0.1 W, -55 to 155 degC, 0603 (1608 Metric)", Case/Package=0603, Max Operating Temperature=155°C, Min Operating Temperature=-55°C, Power=100mW, Tolerance=5%, Voltage Rating=50V, Mounting Technology=SM, Pins=2, RoHS Compliant=True
R17: library part CMP-009-01834-1, "RES 220 OHM 1% 1/10W 0603", Case/Package="Tape & Reel (TR),Cut Tape (CT),Digi-Reel®", Manufacture=YAGEO, Operating Temperature="-55°C ~ 155°C", Package / Case=0603, Power (Watts)="0.1W, 1/10W", Temperature Coefficient=±100ppm/°C, Tolerance=1%, Composition="Thick Film", Features="Moisture Resistant", Height - Seated (Max)="0.022\" (0.55mm)", Manufacture Part Number=RC0603FR-07220RL, Number of Terminations=2, Product Status=Active, Series=RC_L, Size / Dimension="0.063\" L x 0.031\" W (1.60mm x 0.80mm)"
R18 R19: library part CMP-009-03836-1, "RES 1K OHM 1% 1/10W 0603", Case/Package="Tape & Reel (TR),Cut Tape (CT),Digi-Reel®", Manufacture=YAGEO, Operating Temperature="-55°C ~ 155°C", Package / Case=0603, Power (Watts)="0.1W, 1/10W", Temperature Coefficient=±100ppm/°C, Tolerance=1%, Composition="Thick Film", Features="Moisture Resistant", Height - Seated (Max)="0.022\" (0.55mm)", Manufacture Part Number=RC0603FR-101KL, Number of Terminations=2, Product Status=Active, Series=RC_L, Size / Dimension="0.063\" L x 0.031\" W (1.60mm x 0.80mm)"
R20: library part CMP-009-00863-1, "RES 100K OHM 1% 1/10W 0603", Case/Package="Tape & Reel (TR),Cut Tape (CT),Digi-Reel®", Manufacture=YAGEO, Operating Temperature="-55°C ~ 155°C", Package / Case=0603, Power (Watts)="0.1W, 1/10W", Temperature Coefficient=±100ppm/°C, Tolerance=1%, Composition="Thick Film", Features=-, Height - Seated (Max)="0.022\" (0.55mm)", Manufacture Part Number=RC0603FR-07100KP, Number of Terminations=2, Product Status=Active, Series=RC_P, Size / Dimension="0.063\" L x 0.031\" W (1.60mm x 0.80mm)"
R21 R22: library part CMP-009-00181-1, "RES 5.1K OHM 1% 1/10W 0603", Case/Package="Tape & Reel (TR),Cut Tape (CT),Digi-Reel®", Manufacture=YAGEO, Operating Temperature="-55°C ~ 155°C", Package / Case=0603, Power (Watts)="0.1W, 1/10W", Temperature Coefficient=±100ppm/°C, Tolerance=1%, Composition="Thick Film", Features=-, Height - Seated (Max)="0.022\" (0.55mm)", Manufacture Part Number=RC0603FR-135K1L, Number of Terminations=2, Product Status=Active, Series=RC_L, Size / Dimension="0.063\" L x 0.031\" W (1.60mm x 0.80mm)"
R23: library part CMP-009-00596-1, "RES 43.2K OHM 1% 1/10W 0603", Case/Package="Tape & Reel (TR),Cut Tape (CT),Digi-Reel®", Manufacture=YAGEO, Operating Temperature="-55°C ~ 155°C", Package / Case=0603, Power (Watts)="0.1W, 1/10W", Temperature Coefficient=±100ppm/°C, Tolerance=1%, Composition="Thick Film", Features="Moisture Resistant", Height - Seated (Max)="0.022\" (0.55mm)", Manufacture Part Number=RC0603FR-1043K2L, Number of Terminations=2, Product Status=Active, Series=RC_L, Size / Dimension="0.063\" L x 0.031\" W (1.60mm x 0.80mm)"
U1A U1B: Supplier Part Number 1=595-TCAN3414DR, Supplier 1=Mouser
U2A U2B: library part 2611011021000, Supplier Part Number 1=710-2611011021000, Supplier 1=Mouser
U3: library part BNO055, Supplier Part Number 1=262-BNO055, ComponentLink1Description="New link", Supplier 1=Mouser
U4: library part STM32H563VGT6TR, Supplier Part Number 1=511-STM32H563VGT6, Supplier 1=Mouser
U5: library part CMP-04948-000022-1, "SENSOR ANALOG -40C-150C SC70-5", Ambient Temperature Range High=+150°C, Ambient Temperature Range Low=-40°C, Manufacturer="Texas Instruments", Max Supply Voltage=5.5V, Min Supply Voltage=2.3V, Operating Supply Current=9-10uA, Output Current=500uA, Output Voltage=100-2000mV, Package=DCK0005A, Temperature="-40°C to +150°C", Automotive=No, Category=IC, ComponentLink2Description=Datasheet, ComponentLink2URL=https://www.ti.com/lit/ds/symlink/tmp235.pdf, Device Class L1=Sensors, Device Class L2="Temperature and Humidity Sensors", Device Class L3=unset, Digikey Description="SENSOR ANALOG -40C-150C SC70-5", Height=1.1mm, Lead Free=Yes, Manufacturer Part Number=TMP235A4DCKR, Max Junction Temp=+150°C, Mouser Description="±2.5°C Analog output temperature sensor, with 10mV /°C gain 5-SC70 -40 to 150", Octopart=https://octopart.com/tmp235a4dckr-texas+instruments-88184449, RoHS=TRUE, Sensor Output="Analog Voltage", Standoff Height=0mm, Temperature Range High=+150°C, Temperature Range Low=-40°C
U6: library part CMP-01051-130495957-1, "FT232RNL-REEL Integrated Circuit Interface USB-UART; RS-232; 12Mbs; 3, 3v-5.25V; -40+85 deg.C; SMD; SSOP28", Ambient Temperature Range High=85°C, Max Supply Voltage=5.25V, Min Operating Temperature=-40°C, Min Supply Voltage=1.8V, Nominal Supply Current=7mA, Data Rate=3Mbps, Height=2mm, Interface="UART, USB", Max Operating Temperature=85°C, NexarPartId=130495957, Number of Ports=1, USB Standard="USB 2.0"
U7: library part CMP-04918-000366-1, "36V 1A 1.4MHZ REGULATOR"
Y1: library part CMP-03913-116855686-1, "830053798 WE-XTAL Quartz Crystal", Frequency=24MHz, Max Operating Temperature=85°C, Min Operating Temperature=-40°C, Height=1mm, Length=5mm, NexarPartId=116855686, Width=3.2mm
Y2 Y3: library part CMP-03913-116855621-1, "830009678 WE-XTAL Quartz Crystal", Frequency=32.768kHz, Max Operating Temperature=85°C, Min Operating Temperature=-40°C, Height=900µm, Length=3.2mm, NexarPartId=116855621, Width=1.5mm
?: library part Raspberry-Pi-4-Compute-Module, "Raspberry Pi 4 Compute Module", Field4=Hirose, Field5="2off DF40C-100DS-0.4V", Field6="2off DF40C-100DS-0.4V", Field7=Hirose, Part Description="100 Position Connector Receptacle, Center Strip Contacts Surface Mount Gold", Sheetfile=CM4_HighSpeed.kicad_sch, Sheetname=CM4_HighSpeed

## Free pads (board coordinates)
  round 4.4 hole 2.7 mask-2539.97: 4(-22.172,-14.426) 4(-22.172,18.574) 5(25.828,-14.426) 6(25.828,18.574)
  round 4.9 hole 3.2 mask-2539.97: 7(-40.4,26.725) 8(-40.4,-26.575) 9(40.4,-26.575) 10(40.4,26.725)
  round 0.3 hole 0.3: 20(-40.4,28.75) 23(-40.4,24.675) 26(-38.375,26.6) 27(-42.399,26.598) 28(-40.4,-24.6) 31(-40.429,-28.598) 34(-38.377,-26.612) 35(-42.439,-26.588) 36(40.425,-24.516) 37(40.343,-28.574) 38(38.348,-26.579) 39(42.433,-26.565) 44(40.405,28.726) 45(40.405,24.725) 46(38.4,26.724) 47(42.433,26.724)
  round 0.7 hole 0.3 mask+0: 52(36.45,10.925)

## Via types
v1: diameter 0.7, hole 0.3, Top Layer to Bottom Layer, tented both sides, 370 vias
v2: diameter 0.6, hole 0.3, Top Layer to Bottom Layer, tented both sides, 2 vias

## Nets (pads, with @x,y where several pads share a name; then routed paths per layer and width w, separated by ;. In a path a pad name is that pad's centre, name@x,y a point inside that pad or via, vN(x,y) a via of type N, cw(c..) or ccw(c..) an arc to the next point about the centre after c; other vN are vias at no path point)
3V3_REF: J2.84 J2.86 R24.1 | length 3.1
  Top Layer w0.2: v1(-7.628,-14.282) -7.628,-15.201 R24.1@-7.546,-15.282
  Bottom Layer w0.2: J2.86@-7.672,-13.346 -7.672,-14.025 -7.646,-14.05 -7.646,-14.264 v1(-7.628,-14.282) -7.272,-13.926 J2.84@-7.272,-13.346
3V3_Resistored: J2.78 R24.2 | length 1.9
  Top Layer w0.2: R24.2@-6.046,-15.282 v1(-6.046,-14.282)
  Bottom Layer w0.2: J2.78@-6.072,-13.346 -6.072,-14.257 v1(-6.046,-14.282)
5V_FUSED: C33.1 D2.2 D3.2 F1.2